# Allegro board LAY-95869_A.brd (continued)
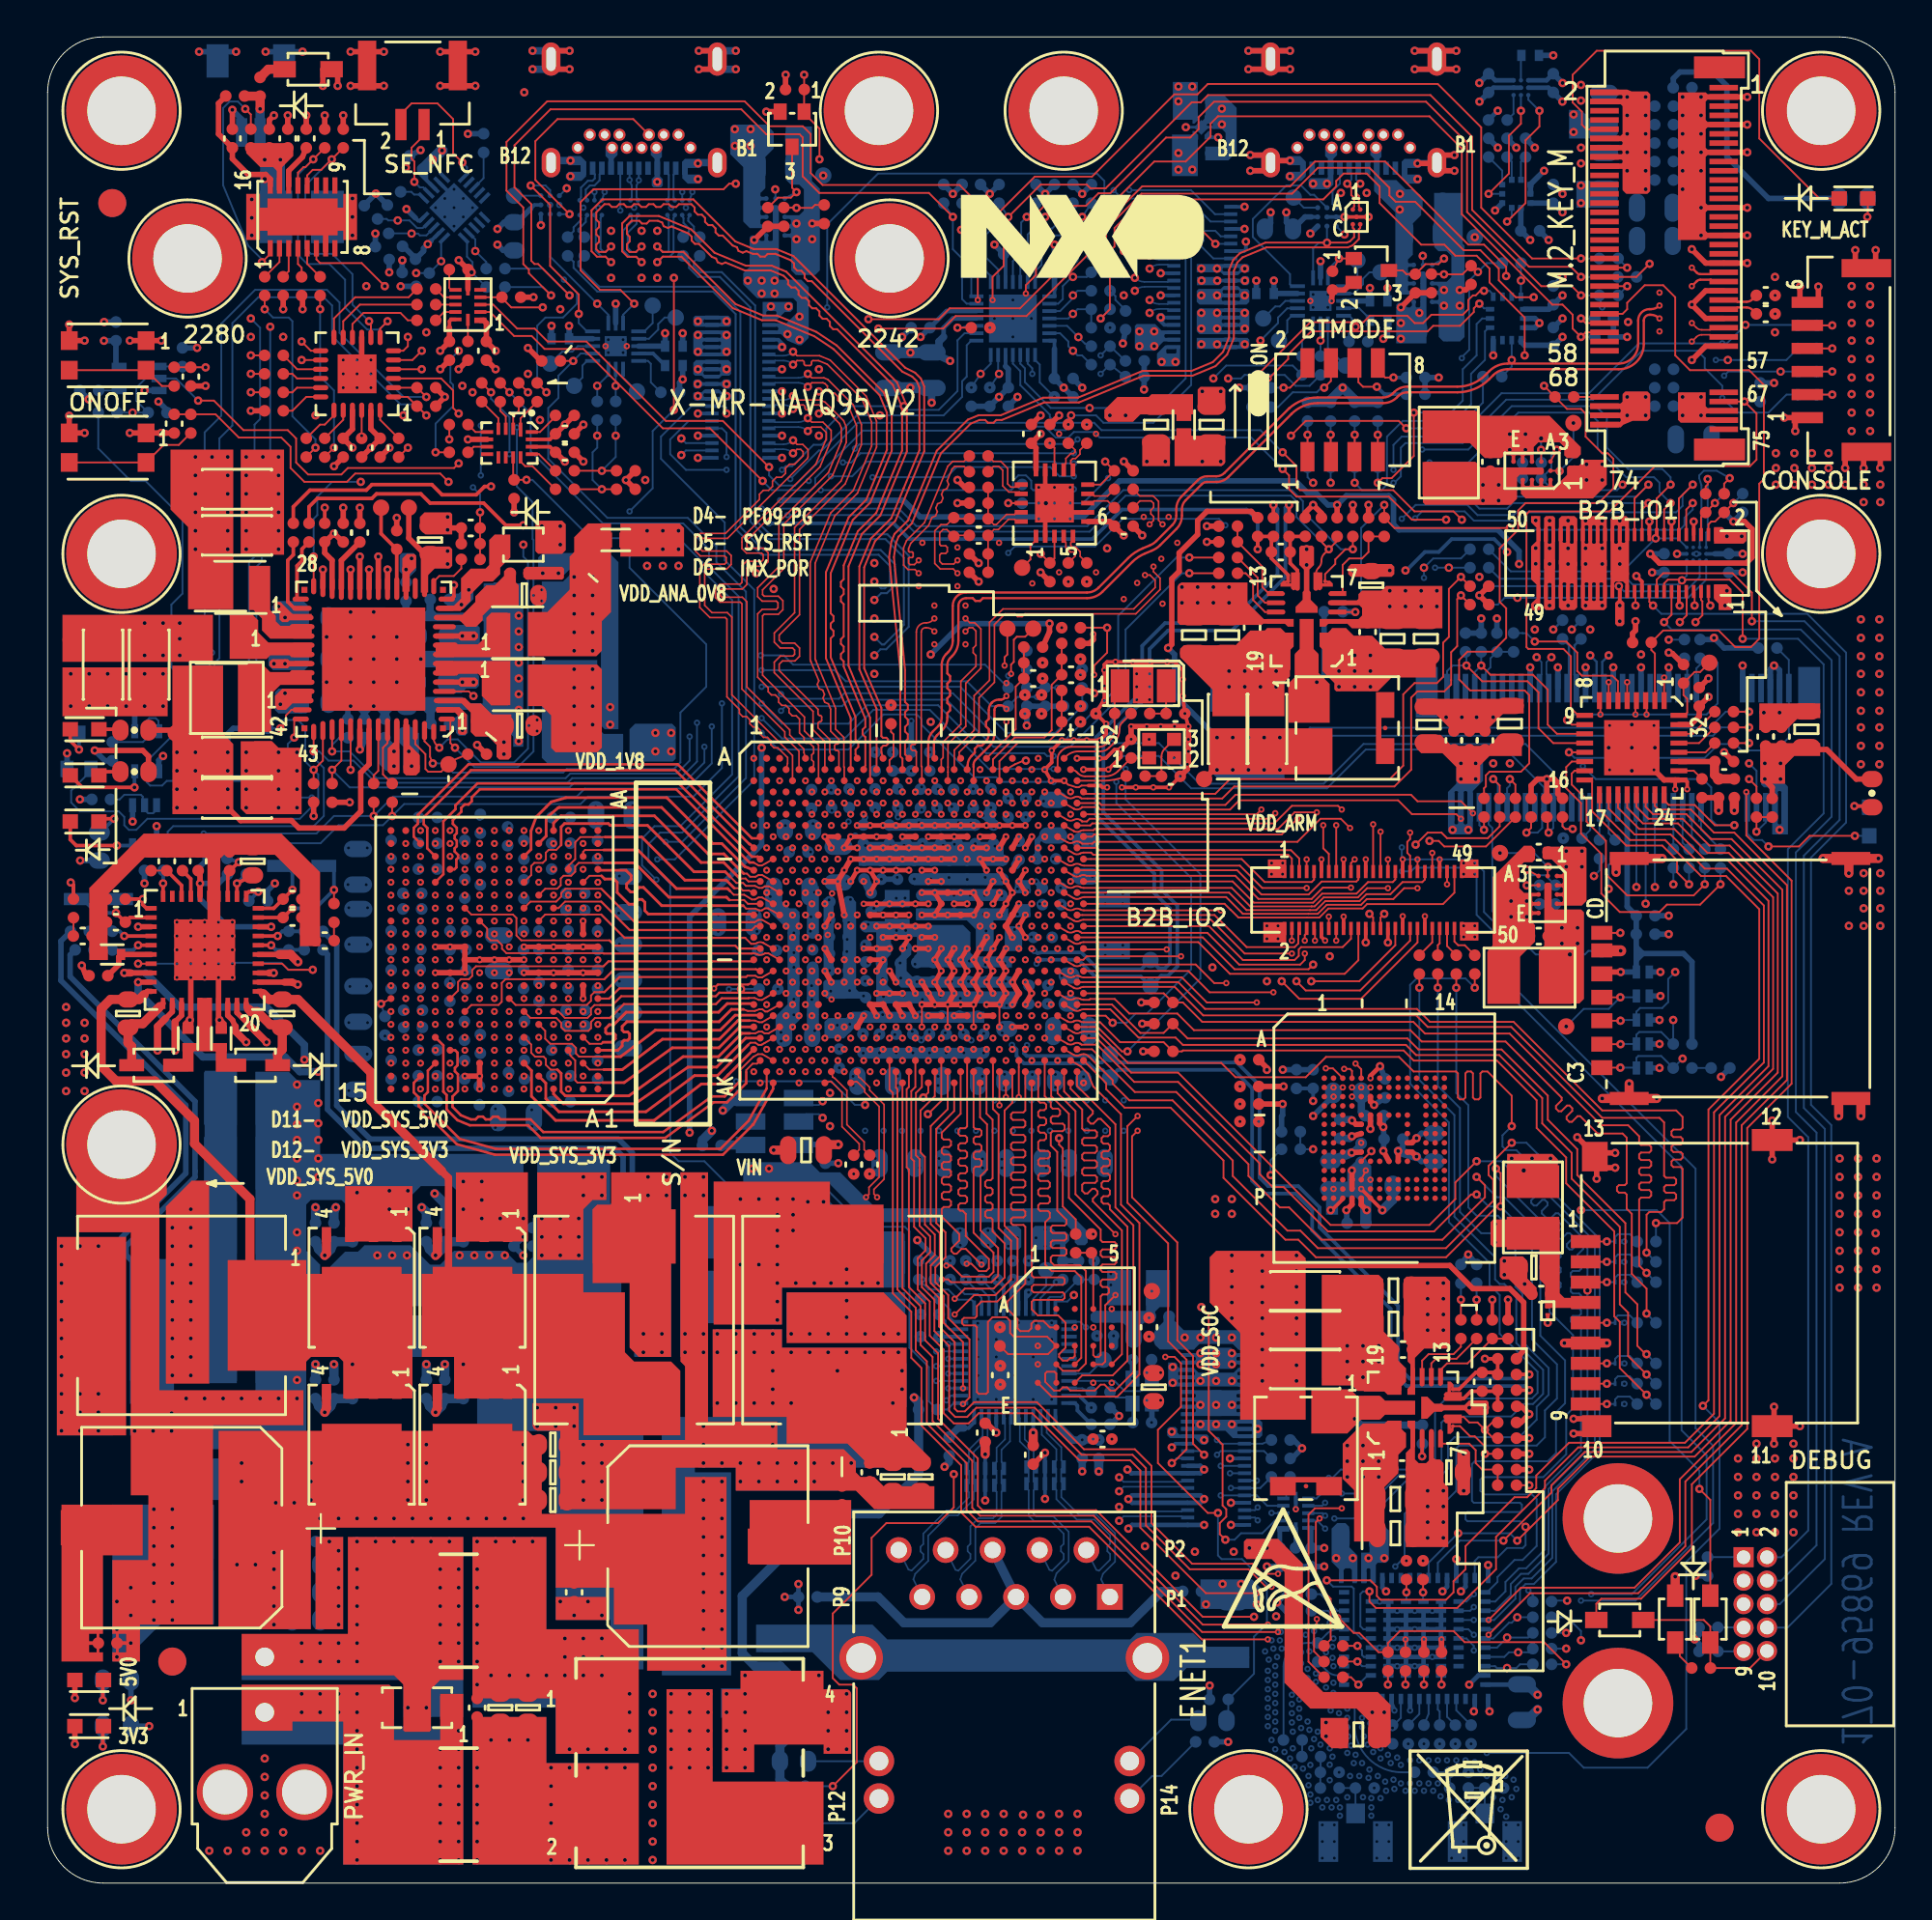
[diagram p0: board, top side]
## Routing (per net, layer and track width the routed paths; a pad name or vN(x,y) marks a point on that pad's centre or on a via; arc(x,y) is an arc through that point) (continued)
I3C2A_SDA_1V8: length 120.4
  TOP w0.102: v1(89.05,74.75) 88.7,74.4 J3.10
  L8_IN2 w0.102: v1(56,90.25) 56,87.15 57.6,85.55 58.75,85.55 59.6,86.4 70.3,86.4 72.6,84.1 73.7,84.1 74.9,82.9 74.9,81.4 75.5,80.8 75.5,75.4 v3(74.03,73.92) 72.95,72.85 71.95,72.85 71.05,71.95 71.05,70.75 70.3,70 70.3,64.6 71.15,63.75 71.15,58.69 71.23,58.6 71.23,56.85 71.2,56.81 71.2,54.25 70.45,53.5 70.45,49.1 69.35,48 69.35,37.3 69.85,36.8 69.85,36.25 69.95,36.15 69.95,23.26 67.2,20.51 67.2,19.75 66.69,19.24 65.91,19.24 v3(65.5,19.65)
  BOTTOM w0.102: R176.2 v1(56,90.25) 55,89.25 54.35,89.25 53.8,88.7 53.8,87.65 53.45,87.3 U31.28 ; J17.3 65.35,19.8 v3(65.5,19.65) ; v1(89.05,74.75) 89.05,74.4 88.6,73.95 88.6,73.55 88.35,73.3 80.1,73.3 79.6,73.8 79.48,73.8 79.47,73.8 77.2,73.8 76.7,74.3 74.4,74.3 v3(74.03,73.92)
I3C2B_SCL_1V8: length 19.4
  L8_IN2 w0.102: v3(51,90.25) 52.65,91.9 57.5,91.9 v3(57.7,91.7)
  BOTTOM w0.102: R181.2 v3(51,90.25) 50.4,89.65 50.4,87.7 51.05,87.05 U31.22 ; J14.6 62.95,90 61.7,91.25 58.15,91.25 v3(57.7,91.7)
I3C2B_SDA_1V8: length 18.5
  L8_IN2 w0.102: v3(58.55,91.7) 57.9,91.05 52.8,91.05 v3(52,90.25)
  BOTTOM w0.102: v3(58.55,91.7) 61.89,91.7 63.19,90.4 J14.4 ; R180.2 v3(52,90.25) 51.75,90 51.5,90 50.8,89.3 50.8,88.05 51.45,87.4 U31.23
I3C2C_SCL_1V8: length 31.4
  L3_IN1 w0.102: v1(34.3,78.25) 34.9,78.85 36.9,78.85 39.25,81.2 40.3,81.2 41.1,80.4 42.1,80.4 42.55,80.85 42.55,81.17 46.8,85.42 47.83,85.42 50.2,87.8 51.2,87.8 51.8,88.4 51.8,89 52.25,89.45 52.25,89.5 v1(53,90.25)
  BOTTOM w0.102: U31.25 52.25,87.85 52.7,88.3 52.7,89.95 v1(53,90.25) R179.2 ; J15.6 34.55,78 v1(34.3,78.25)
I3C2C_SDA_1V8: length 32.3
  L3_IN1 w0.102: v1(34.3,77.35) 34.65,77.7 36.4,77.7 37.85,79.15 40.25,79.15 41.1,80 42.4,80 43.7,81.3 43.7,81.85 46.75,84.9 47.95,84.9 50.4,87.35 51.5,87.35 52.9,88.75 52.9,89.15 v1(54,90.25)
  BOTTOM w0.102: v1(34.3,77.35) 34.55,77.6 J15.4 ; R178.2 v1(54,90.25) 53.05,89.3 53.05,88.2 52.65,87.8 U31.26
IMU1_INT_1V8: length 61.9
  TOP w0.102: U12.AH42 52.57,44.19 v4(52.57,42.57)
  L3_IN1 w0.102: v4(52.57,42.57) 52.59,42.55 54.3,42.55 54.95,41.9 62.42,41.9 64.07,40.25 65.9,40.25 68.94,37.21 70.82,37.21 71.21,37.6 71.8,37.6 v5(72.4,38.2)
  L4_GND2 w0.3: v5(72.4,38.2) v6(72.55,38.6)
  L7_GND3 w0.3: v7(72.7,39) v6(72.55,38.6)
  L8_IN2 w0.102: v3(74.5,70.7) 74.25,70.7 73.9,70.35 73.9,60.95 73.65,60.7 73.65,51.15 72.7,50.2 72.7,47.15 73.3,46.55 73.3,41 72.7,40.4 v7(72.7,39)
  BOTTOM w0.102: v3(74.5,70.7) v2(74.5,71.25) 75,71.75 76.5,71.75 76.99,72.24 R374.1
IMU1_INT_3V3: length 20.8
  L8_IN2 w0.102: v3(75.1,71.25) 75.1,71.79 77,73.69 77,74.25 76.55,74.7 v3(76.55,82.6)
  BOTTOM w0.102: v3(75.1,71.25) v2(75.85,71.25) R377.2 ; v3(76.55,82.6) 76.55,82.65 76.95,83.05 76.95,86.8 v2(77.42,87.27) 77.9,87.75 R189.1
IO_INT: length 1.2
  TOP w0.102: R47.1 23.06,77.8 U5.7
IO_WAKE: length 2.1
  TOP w0.102: R30.1 13.25,80.75 13.5,81 U4.17
IO_WAKE_INT: length 113.7
  TOP w0.102: v1(78.95,87.05) 78.95,87.55 77.75,88.75 76.9,88.75 72.4,93.25 68.6,93.25 67.26,91.91 59.25,91.91 52.64,85.3 48.83,85.3 48.24,84.71 v1(44.43,84.71) ; v1(85.95,69.2) 85.95,69.91 J3.23 ; R30.2 v1(11,80.75) ; R47.2 v1(21,77.5)
  L8_IN2 w0.102: v1(21,77.5) 19.55,78.95 18.5,78.95 18.1,79.35 15.4,79.35 15,78.95 12.8,78.95 v1(11,80.75) ; v1(85.95,69.2) 85.95,69.8 86.45,70.3 86.45,71.25 85.8,71.9 85.8,76.3 84.45,77.65 84.45,84.8 84.65,85 84.65,86.1 83.25,87.5 79.4,87.5 v1(78.95,87.05) ; v1(22.25,83) 22.85,83.6 26.15,83.6 28,81.75 29.75,81.75 30.75,82.75 30.75,83.8 32.7,85.75 34.6,85.75 37.35,88.5 39.55,88.5 43.34,84.71 v1(44.43,84.71)
  BOTTOM w0.102: v1(21,77.5) 21,79.05 21.95,80 21.95,81.15 21.8,81.3 21.8,82.55 v1(22.25,83)
IW612_BT15_4_WAKE_IN: length 62
  TOP w0.102: v8(78,13.45) 80.25,15.7 86.1,15.7 88.65,18.25 88.65,21.75 91.7,24.8 91.7,41.05 94.15,43.5 94.15,54.05 91.3,56.9 90.2,56.9 88.95,58.15 87.2,58.15 87,58.35 U10.23
  L4_GND2 w0.3: v8(78,13.45) v6(77.6,13.45)
  L7_GND3 w0.3: v6(77.6,13.45) v9(77.2,13.45)
  BOTTOM w0.102: v9(77.2,13.45) 76.9,13.75 U36.75
IW612_BT15_4_WAKE_OUT_1V8: length 144.8
  TOP w0.102: v1(76.55,73.85) 76.1,74.3 73.99,74.3 72.84,75.45 67.79,75.45 67.6,75.63 67.6,76.75 v1(66.85,77.5) ; v1(39.05,76.7) 36.55,79.2 33.47,79.2 29.17,83.5 27.07,83.5 26.37,84.2 25.42,84.2 24.12,85.5 U3.3
  L8_IN2 w0.102: v3(77.2,12.6) 78.05,12.6 81.15,15.7 82.6,15.7 v3(83,15.3) ; v3(73.3,56.1) 73.3,60.75 73.6,61.05 73.6,62.15 73.35,62.4 73.35,67 73.1,67.25 73.1,70.35 73.3,70.55 73.6,70.55 74.8,71.75 74.8,72.1 v1(76.55,73.85)
  BOTTOM w0.102: v1(66.85,77.5) 65.65,78.7 57.05,78.7 56.65,79.1 55.5,79.1 55.1,78.7 54.55,78.7 54.15,79.1 43.85,79.1 40.45,75.7 39.6,75.7 39.05,76.25 v1(39.05,76.7) ; v3(73.3,56.1) 73.3,55.65 73.5,55.45 77.1,55.45 77.75,54.8 77.75,52.6 79.38,50.98 79.38,48.52 89.2,38.7 89.2,24.64 90.15,23.69 90.15,19.5 85.95,15.3 v3(83,15.3) ; v3(77.2,12.6) 77.2,12.85 76.8,13.25 U36.76
IW612_BT15_4_WAKE_OUT_3V3: length 5.2
  TOP w0.102: U4.11 16,84.6 16.9,85.5 R22.2
IW612_IND_RST_15_4: length 59.8
  TOP w0.102: U10.20 85.5,58.25 86.35,57.4 88.25,57.4 89.85,55.8 91,55.8 93.4,53.4 93.4,44.11 90.8,41.51 90.8,25.17 88.98,23.35 83.2,23.35 81.4,21.55 81.4,21.15 v1(78.8,18.55)
  BOTTOM w0.102: v1(78.8,18.55) 76.45,18.55 75.25,17.35 U36.38
IW612_IND_RST_BT: length 68.1
  TOP w0.102: v1(71.55,15.8) 71.55,15.25 71.9,14.9 76.3,14.9 78.4,17 78.4,18.75 81.05,21.4 81.05,21.8 82.85,23.6 88.8,23.6 90.5,25.3 90.5,41.6 93.15,44.25 93.15,53.2 90.95,55.4 89.75,55.4 88.05,57.1 86.15,57.1 85,58.25 U10.19
  BOTTOM w0.102: v1(71.55,15.8) 71.2,15.8 71.06,15.66 71.06,13.91 71.22,13.75 U36.64
IW612_IND_RST_WL: length 72.4
  TOP w0.102: U10.18 84.5,58.2 85.9,56.8 87.85,56.8 89.7,54.95 90.9,54.95 92.9,52.95 92.9,44.45 90.2,41.75 90.2,25.42 88.63,23.85 82.35,23.85 80.58,22.08 80.58,21.39 80.09,20.9 79.4,20.9 76.75,18.25 76.75,17 76.1,16.35 76.1,15.75 75.7,15.35 72.15,15.35 71.95,15.55 71.95,16.05 71.6,16.4 v1(69.24,16.4)
  BOTTOM w0.102: U36.63 71.1,13.25 70.7,13.65 70.7,15.95 70.59,16.06 69.58,16.06 v1(69.24,16.4)
IW612_PD_B: length 78.9
  TOP w0.102: U10.17 84,58.15 85.65,56.5 87.55,56.5 89.5,54.55 90.85,54.55 92.65,52.75 92.65,44.65 89.9,41.9 89.9,26.15 v1(89.6,25.85)
  L8_IN2 w0.102: v3(77.9,7.05) 77.3,6.45 73.6,6.45 72.8,7.25 v3(72.8,8.4)
  BOTTOM w0.102: v1(89.6,25.85) 90.5,24.95 90.5,19.2 88.7,17.4 88.7,8.35 86.6,6.25 83.15,6.25 82.35,7.05 v3(77.9,7.05) ; U36.10 73.25,8.95 72.86,8.56 R357.2
IW612_RST_IND: length 60.9
  TOP w0.102: U10.21 86,58.3 86.65,57.65 88.5,57.65 89.95,56.2 91.05,56.2 93.65,53.6 93.65,43.9 91.1,41.35 91.1,25.05 89.15,23.1 83.5,23.1 81.75,21.35 81.75,20.75 v1(79.55,18.55)
  BOTTOM w0.102: U36.37 74.75,17.35 v2(76.35,18.95) 79.15,18.95 v1(79.55,18.55)
IW612_SD_INT: length 59.1
  L3_IN1 w0.102: v1(82.25,15.3) 80.75,16.8 77.5,16.8 77.25,17.05 73.3,17.05 73,17.35 73,18.05 71.2,19.85 70,19.85 69.6,20.25 69.6,24.4 67.45,26.55 60.8,26.55 60.6,26.75 59,26.75 58.75,26.5 57.17,26.5 57.04,26.37 54.33,26.37 53,27.7 53,29.6 53.55,30.15 53.55,36.65 48.25,41.95 48.25,43.35 47.68,43.92 47.68,45.77 v4(47.67,45.77)
  BOTTOM w0.102: R339.1 81.46,15.3 v1(82.25,15.3)
IW612_SPI_INT: length 58
  TOP w0.102: U12.AJ25 46.62,43.12 46.5,43 46.5,38.77 46.62,38.65 46.62,32.28 47.5,31.4 47.5,29.4 48.2,28.7 48.2,25.15 50.35,23 50.35,20.45 50.6,20.2 56.75,20.2 62.52,14.43 v1(65.3,14.43)
  L8_IN2 w0.102: v1(65.3,14.43) 65.78,14.43 71.4,8.8 73.05,8.8 73.25,8.6 73.25,7.3 73.8,6.75 75.8,6.75 76.2,7.15 v3(76.2,7.54)
IW612_WL_WAKE_IN: length 61.3
  TOP w0.102: v8(78,14.25) 79.75,16 85.9,16 88.35,18.45 88.35,21.87 91.4,24.92 91.4,41.2 93.9,43.7 93.9,53.8 91.15,56.55 90.05,56.55 88.7,57.9 86.9,57.9 86.5,58.3 U10.22
  L4_GND2 w0.3: v8(78,14.25) v6(77.6,14.25)
  L7_GND3 w0.3: v9(77.2,14.25) v6(77.6,14.25)
  BOTTOM w0.102: U36.74 v9(77.2,14.25)
IW612_WL_WAKE_OUT_1V8: length 142.6
  TOP w0.102: U3.2 23.95,85.1 25.25,83.8 26.2,83.8 26.9,83.1 29,83.1 33.3,78.8 35.85,78.8 v1(38.7,75.95) ; v1(66.85,76.6) 67.2,76.25 67.2,75.5 67.6,75.1 72.6,75.1 73.85,73.85 v1(75.7,73.85)
  L8_IN2 w0.102: v3(77.2,14.95) 79.85,14.95 80.9,16 83.2,16 v3(83.55,15.65) ; v1(75.7,73.85) 73.45,71.6 72.55,71.6 72.25,71.3 72.25,67.4 72.9,66.75 72.9,62.1 73.3,61.7 73.3,61.2 72.95,60.85 72.95,55.15 v3(73.3,54.8)
  BOTTOM w0.102: v3(83.55,15.65) 85.75,15.65 89.8,19.7 89.8,23.17 88.45,24.52 88.45,38.8 79.07,48.18 79.07,50.72 77.35,52.45 77.35,54.6 76.95,55 74,55 73.8,54.8 v3(73.3,54.8) ; v1(66.85,76.6) 65.15,78.3 56.95,78.3 56.65,78.6 55.55,78.6 55.25,78.3 54.57,78.3 53.98,78.89 53.42,78.89 53.2,78.67 44.12,78.67 41.55,76.1 41.55,75.7 41.3,75.45 39.2,75.45 v1(38.7,75.95) ; v3(77.2,14.95) 77,14.75 U36.73
IW612_WL_WAKE_OUT_3V3: length 4.6
  TOP w0.102: R23.2 19.5,84.65 19.1,85.05 17.1,85.05 16.5,84.45 U4.10
LED0_PHYAD0: length 3.4
  BOTTOM w0.102: R317.1 R318.2 54.86,31.75 54.25,31.75 54.15,31.65 U35.35
LED1_CFGLDO0: length 39.6
  TOP w0.102: v4(60.5,28.5) 61,28.5 61.35,28.15 61.35,25.8 60.1,24.55 60.1,22.75 62.8,20.05 v1(63.35,20.05)
  L3_IN1 w0.102: v1(55.55,31.85) 55.55,30.8 55.25,30.5 55.25,29.2 54.9,28.85 54.4,28.85 54.1,28.55 54.1,27.55 54.88,26.77 56.87,26.77 56.95,26.85 56.95,27.3 57.9,28.25 60.25,28.25 v4(60.5,28.5)
  BOTTOM w0.102: v1(55.55,31.85) 55.2,31.5 54.55,31.5 U35.36 ; v1(63.35,20.05) 63.35,17.75 63.55,17.55 64.65,17.55 66,16.2 66,14.05 65.3,13.35 65.3,11.34 R348.1 63.91,9.02 63.81,8.93 R349.1
LED2_CFGLDO1: length 44.3
  TOP w0.102: v1(42.5,5.25) 43.8,6.55 43.8,10.55 43.6,10.75 42.85,10.75 42.5,11.1 42.5,14.6 44.6,16.7 44.6,18.7 45.4,19.5 48.2,19.5 49.05,20.35 v1(49.05,22.15)
  L8_IN2 w0.102: v1(49.05,22.15) 55.1,22.15 56.25,23.3 57,23.3 57.5,23.8 57.5,28 58.5,29 58.5,29.85 58.25,30.1 v3(56.2,30.1)
  BOTTOM w0.102: U35.37 55.9,30.4 v3(56.2,30.1) ; v1(42.5,5.25) R367.2 41.01,4.27 R370.1
LM5143_3V3_PG: length 63.4
  TOP w0.102: v1(20.5,80.5) 20,81 R29.2 U4.2 ; U13.24 12.7,49.8 13.03,49.47 v1(14.35,49.47)
  L8_IN2 w0.102: v3(8.25,49.1) 8.65,49.5 8.65,52.15 9.3,52.8 9.3,66.25 v3(8.9,66.65)
  BOTTOM w0.102: v1(20.5,80.5) 20.5,80.5 19.27,80.5 15.8,83.97 15.8,85.62 15.12,86.3 11.23,86.3 9.4,84.47 9.4,79.48 8.5,78.58 8.5,67.05 v3(8.9,66.65) ; v3(8.25,49.1) 9,49.85 12.65,49.85 13.03,49.47 v1(14.35,49.47)
LM5143_5V0_PG: length 56.4
  TOP w0.102: U4.1 19.49,80.5 R35.2 20,80 v1(20.5,79.5) ; U13.7 v1(4.9,49.8)
  L8_IN2 w0.102: v3(8.9,65.95) 8.9,52.97 8.25,52.32 v3(8.25,49.8)
  BOTTOM w0.102: v1(20.5,79.5) 19.9,80.1 19.1,80.1 15.4,83.8 15.4,85.45 14.95,85.9 11.4,85.9 10,84.5 10,78.95 9.3,78.25 9.3,66.35 v3(8.9,65.95) ; v1(4.9,49.8) v3(8.25,49.8)
M2_KEYB_CLKREQ_B: length 45.8
  TOP w0.102: R117.2 81.2,57.69 81.2,56.95 v1(81.25,56.9) ; v1(53.75,72) R79.2 54.5,71.76 U7.3
  L8_IN2 w0.102: v1(53.75,72) 53.75,72 54.35,71.4 54.35,70.25 53.75,69.65 53.75,64.7 56.7,61.75 v3(57.6,61.75)
  BOTTOM w0.102: v1(81.25,56.9) 81.5,57.15 J16.52 81.55,58.33 81.55,60.15 80,61.7 71.23,61.7 69.08,59.55 62.35,59.55 60.15,61.75 v3(57.6,61.75)
M2_KEYB_COEX_RXD: length 46.4
  TOP w0.102: R114.2 78.6,57.24 77.96,56.6 75.75,56.6 75.45,56.9 74.7,56.9 v1(74.05,56.25)
  L3_IN1 w0.102: v5(71.9,26.4) 71.9,23.65 72.55,23 72.55,19.05 73.55,18.05 v4(73.55,17.46)
  L4_GND2 w0.3: v5(71.9,26.4) v6(71.9,26.8)
  L7_GND3 w0.3: v6(71.9,26.8) v7(71.9,27.2)
  L8_IN2 w0.102: v1(74.05,56.25) 74.05,50.9 73.2,50.05 73.2,47.3 73.65,46.85 73.65,35.8 72.7,34.85 72.7,28 v7(71.9,27.2)
M2_KEYB_COEX_TXD: length 47.1
  TOP w0.102: v1(74.8,56.45) 75.3,56.45 75.6,56.15 77.86,56.15 R115.2
  L3_IN1 w0.102: v5(72.25,25.65) 72.25,23.9 72.95,23.2 72.95,19.2 73.9,18.25 73.9,18 74.44,17.46 v4(74.45,17.46)
  L4_GND2 w0.3: v6(72.55,25.95) v5(72.25,25.65)
  L7_GND3 w0.3: v7(72.55,26.35) v6(72.55,25.95)
  L8_IN2 w0.102: v1(74.8,56.45) 74.8,55.8 74.7,55.7 74.7,50.9 73.7,49.9 73.7,47.65 74.6,46.75 74.6,36.25 73,34.65 73,27.55 72.55,27.1 v7(72.55,26.35)
M2_KEYB_CONFIG0: length 14.5
  TOP w0.102: v1(82.25,63) 82.5,62.75 U10.10
  BOTTOM w0.102: v1(82.25,63) 82.55,63.3 89.8,63.3 90.4,63.9 90.4,66.1 90.16,66.34 R244.2 89.45,66 89.25,65.8 J16.21
M2_KEYB_CONFIG1: length 10.4
  TOP w0.102: v1(77.6,65.95) 78.1,65.45 80.4,65.45 81.2,64.65 81.2,62.75 81.7,62.25 U10.11
  BOTTOM w0.102: R242.2 v1(77.6,65.95) 77.25,65.6 J16.69
M2_KEYB_CONFIG2: length 12.1
  TOP w0.102: v1(76.8,65.95) 77.65,65.1 80.1,65.1 80.7,64.5 80.7,62.55 81.5,61.75 U10.12
  BOTTOM w0.102: J16.75 75.75,65.65 76.05,65.95 v1(76.8,65.95) 76.8,66.64 R243.2
M2_KEYB_CONFIG3: length 18.7
  TOP w0.102: U10.13 v1(82.35,61.25)
  BOTTOM w0.102: R239.2 94.25,66.26 J16.1 94.25,62.05 93.55,61.35 91.7,61.35 91.35,61.7 90.45,61.7 89.7,60.95 82.65,60.95 v1(82.35,61.25)
M2_KEYB_FCPO_B: length 11
  TOP w0.102: U10.5 v4(85.5,65.05) ; v1(92.1,59.8) 92.5,59.4 R119.1
  L3_IN1 w0.102: v1(92.1,59.8) 91.5,59.8 86.85,64.45 86.1,64.45 v4(85.5,65.05)
M2_KEYB_GPIO5: length 17.1
  TOP w0.102: U10.14 82.5,60.75 82.2,60.45 82.2,59.3 83,58.5 83,56.85 84.1,55.75 84.1,53.6 85.1,52.6 87.25,52.6 87.65,53 89.45,53 v1(90.55,54.1)
  BOTTOM w0.102: R270.2 v1(90.55,54.1)
M2_KEYB_GPIO6: length 13.9
  TOP w0.102: v1(89.7,54.1) 89.1,53.5 85.5,53.5 84.35,54.65 84.35,56.45 83.3,57.5 83.3,58.7 82.5,59.5 82.5,60.1 82.65,60.25 U10.15
  BOTTOM w0.102: R271.2 v1(89.7,54.1)
M2_KEYB_GPIO7: length 10.2
  TOP w0.102: v1(88.85,54.1) 88.2,54.75 88.2,55.4 87.4,56.2 85.45,56.2 83.6,58.05 83.6,59.65 83.5,59.75 U10.16
  BOTTOM w0.102: R272.2 v1(88.85,54.1)
M2_KEYB_PERST_B: length 12.9
  TOP w0.102: U10.4 85.95,64 v4(85.95,63.3) ; R118.2 82,57.25 82.15,57.1 v1(82.55,57.1)
  L3_IN1 w0.102: v1(82.55,57.1) 83.7,58.25 83.7,63.5 83.9,63.7 85.55,63.7 v4(85.95,63.3)
  BOTTOM w0.102: J16.50 82,57.25 82.15,57.1 v1(82.55,57.1)
M2_KEYB_PEWAKE_B: length 100.4
  TOP w0.102: U4.14 v1(13.75,82.5) ; R116.2 80.3,57.15 v1(80.05,56.9)
  L3_IN1 w0.102: v9(38.65,63.9) 39.85,65.1 39.85,73.2 40.45,73.8 40.45,74.35 40.3,74.5 39.8,74.5 39.35,74.05 32.55,74.05 31.9,74.7 29.6,74.7 26.95,77.35 22,77.35 19.95,79.4 19.95,80.7 20.35,81.1 v1(22.45,81.1)
  L4_GND2 w0.3: v9(38.65,63.9) v6(39.05,63.9)
  L7_GND3 w0.3: v9(38.65,63.9) v6(39.05,63.9)
  L8_IN2 w0.102: v1(13.75,82.5) 14.9,81.35 17.8,81.35 18.35,80.8 20,80.8 20.15,80.95 21.25,80.95 21.4,81.1 v1(22.45,81.1) ; v3(58.05,61.05) v3(54.45,61.05)
  BOTTOM w0.102: v1(80.05,56.9) 80.65,56.9 80.9,57.15 80.9,58.17 J16.54 81,59.35 78.95,61.4 71.35,61.4 69.25,59.3 61.9,59.3 60.15,61.05 v3(58.05,61.05) ; v3(54.45,61.05) 54.1,61.05 53.95,61.2 50.8,61.2 48.2,63.8 44.35,63.8 43.35,62.8 39.75,62.8 v9(38.65,63.9)
M2_KEYB_PWREN_B: length 17.2
  TOP w0.102: U10.3 86.55,64 v4(86.55,63.3) ; U11.A3 v1(80.06,54.89)
  L3_IN1 w0.102: v1(80.06,54.89) 82,56.83 82,57.2 83.25,58.45 83.25,63.6 83.65,64 85.85,64 v4(86.55,63.3)
  BOTTOM w0.102: v1(80.06,54.89) 80.36,54.59 81.06,54.59 81.61,54.05 R277.2
M2_KEYB_REFCLK_N: length 31
  L3_IN1 w0.091: v1(81.4,66.4) 81.2,66.2 arc(81.16,66.14) 81.15,66.07 81.15,65.89 arc(81.1,65.67) 80.97,65.47 80.85,65.35 arc(80.63,65.2) 80.37,65.15 80.09,65.15 arc(79.82,65.2) 79.59,65.35 78.72,66.23 78.44,66.51 arc(77.99,66.81) 77.45,66.92 62.01,66.92 arc(61.6,67) 61.26,67.23 60.08,68.41 59.95,68.54 arc(59.82,68.62) 59.67,68.65 56.88,68.65 arc(56.66,68.69) 56.48,68.82 55.74,69.55 arc(55.64,69.71) 55.6,69.89 55.6,70.06 arc(55.59,70.14) 55.54,70.2 v4(55.25,70.49)
  BOTTOM w0.089: J16.53 81.25,65.38 81.13,65.5 81.13,66.13 v1(81.4,66.4)
M2_KEYB_REFCLK_P: length 30.9
  L3_IN1 w0.091: v4(56.25,70.49) 55.95,70.19 arc(55.91,70.13) 55.89,70.06 55.89,69.89 arc(55.91,69.82) 55.95,69.76 56.15,69.56 56.36,69.56 56.53,69.39 56.53,69.18 56.68,69.03 arc(56.77,68.97) 56.88,68.94 57.08,68.94 57.23,69.09 57.48,69.09 57.62,68.94 57.88,68.94 58.02,69.09 58.27,69.09 58.42,68.94 58.67,68.94 58.83,69.09 59.08,69.09 59.23,68.94 59.67,68.94 arc(59.93,68.89) 60.16,68.74 60.29,68.61 60.5,68.61 60.67,68.44 60.67,68.23 60.91,67.99 61.12,67.99 61.29,67.82 61.29,67.61 61.47,67.43 arc(61.71,67.27) 62.01,67.21 77.45,67.21 arc(78.1,67.08) 78.65,66.71 78.93,66.44 79.14,66.44 79.32,66.26 79.32,66.05 79.56,65.81 79.8,65.56 arc(79.93,65.48) 80.09,65.44 80.37,65.44 arc(80.52,65.47) 80.64,65.56 80.76,65.68 arc(80.83,65.78) 80.85,65.89 80.85,66.07 arc(80.84,66.14) 80.8,66.2 v1(80.6,66.4)
  BOTTOM w0.089: J16.55 80.75,65.36 80.86,65.47 80.86,66.14 v1(80.6,66.4)
M2_KEYB_REFCLK_R_N: length 2
  TOP w0.089: R80.1 55.62,71.88 55.62,72.01 55.53,72.1 55.36,72.1 55.12,72.34 55.12,72.61 55,72.73 U7.4
M2_KEYB_REFCLK_R_P: length 2
  TOP w0.089: R81.1 55.89,71.87 55.89,72.12 55.64,72.37 55.47,72.37 55.38,72.45 55.38,72.6 55.5,72.72 U7.5
M2_KEYB_RESET_B: length 8.4
  TOP w0.102: v1(80.5,67.25) 82.2,67.25 82.8,66.65 82.8,65.65 83.05,65.4 84.7,65.4 85,65.1 U10.6
  BOTTOM w0.102: v1(80.5,67.25) 80.05,67.7 79.85,67.7 79.84,67.71 R240.1
M2_KEYB_WDISABLE1_B: length 13.3
  TOP w0.102: v4(84.5,65.05) U10.7
  L3_IN1 w0.102: v1(92.1,60.65) 87.9,64.85 86.2,64.85 85.6,65.45 85.2,65.45 84.8,65.05 v4(84.5,65.05)
  BOTTOM w0.102: J16.8 92.5,60.25 v1(92.1,60.65)
M2_KEYB_WDISABLE2_B: length 12.5
  TOP w0.102: U10.8 84.05,64 v4(84.05,63.3)
  L3_IN1 w0.102: v4(84.05,63.3) 84.05,60.15 88,56.2 v1(88,54.1)
  BOTTOM w0.102: R273.2 v1(88,54.1)
M2_KEYB_WOWWAN_3V3_B: length 6.2
  TOP w0.102: R20.2 19.54,85.9 16.65,85.9 15.5,84.75 U4.12
M2_KEYB_WOWWAN_B: length 100
  TOP w0.102: v1(44.97,84.2) 48.47,84.2 49.15,84.88 52.98,84.88 57.3,89.2 57.3,89.6 59.21,91.51 67.36,91.51 68.76,92.91 71.55,92.91 72.63,91.83 72.63,91.41 72.97,91.07 74.03,91.07 76.65,88.45 77.55,88.45 78.55,87.45 78.55,86.82 79.47,85.9 v1(80.44,85.9) ; v1(26.8,85.35) 25.1,85.35 24.59,85.86 R21.2 U3.4
  L3_IN1 w0.102: v1(80.44,85.9) 80.91,85.43 83.18,85.43 84.05,84.56 v1(85.55,84.56)
  L8_IN2 w0.102: v1(26.8,85.35) 26.8,83.5 28.25,82.05 28.95,82.05 29.75,82.85 29.75,84.85 30.2,85.3 30.2,85.75 30.55,86.1 34.35,86.1 37.75,89.5 39.05,89.5 43.2,85.35 44.55,85.35 44.97,84.93 v1(44.97,84.2) ; v1(85.55,84.56) 87.8,82.31 87.8,76.65 87.35,76.2 87.35,73.55 88.7,72.2 88.7,71.1 87.95,70.35 87.95,68.05 87.75,67.85 v1(87.75,67.35)
  BOTTOM w0.102: R245.2 88.59,67.35 v1(87.75,67.35)
M2_KEYM_CLKREQ_B: length 36.2
  TOP w0.102: U7.13 54.5,77.74 v4(54.25,77.99) ; J1.52 83.25,84.5 v1(83,84.75)
  L3_IN1 w0.102: v4(54.25,77.99) 54.25,79.65 54.7,80.1 57.55,80.1 58.95,81.5 61.15,81.5 62.6,82.95 77.15,82.95 77.55,83.35 80.8,83.35 81.7,84.25 82.5,84.25 v1(83,84.75)
  BOTTOM w0.102: R198.2 v1(83,84.75)
M2_KEYM_PEDET: length 32.6
  TOP w0.102: J1.69 v1(91.85,80.25) 92.5,79.6 92.5,77.1 92.15,76.75 87,76.75 84.55,74.3 80.2,74.3 80.05,74.15 80.05,66.95 80.15,66.85 82.05,66.85 82.45,66.45 82.45,63.65 82.85,63.25 U10.9
  BOTTOM w0.102: v1(91.85,80.25) 92.69,80.25 R215.2
M2_KEYM_PERST_B: length 37.3
  TOP w0.102: U10.2 87,66.6 86.81,66.79 R87.2 86.81,67.21 87.45,67.85 90.45,67.85 91.35,66.95 92.2,66.95 92.65,67.4 92.65,75.8 92.9,76.05 92.9,81.15 92.1,81.95 88.9,81.95 88.1,82.75 88.1,85.9 87.45,86.55 86.45,86.55 85.5,85.6 85.5,85.25 85.25,85 J1.50
M2_KEYM_PEWAKE_B: length 97.1
  TOP w0.102: v1(56.9,90.25) 59.9,93.25 61.6,93.25 62.95,94.6 62.95,95.3 63.35,95.7 74.8,95.7 76.55,93.95 76.55,90.4 81.45,85.5 82,85.5 82.55,84.95 82.55,84.2 v1(83,83.75) 83.25,84 J1.54 ; U4.13 14.25,83 v1(13.75,83.5)
  L8_IN2 w0.102: v3(42.2,85.35) 39.55,88 37.6,88 35,85.4 33.25,85.4 31.65,83.8 31.65,82.75 30.35,81.45 27.8,81.45 26.72,82.53 21.24,82.53 20.87,82.16 20.87,81.97 20.5,81.6 18.7,81.6 18.2,82.1 15.15,82.1 v1(13.75,83.5)
  BOTTOM w0.102: v1(56.9,90.25) 57.2,90.55 57.2,92.2 56.8,92.6 44.95,92.6 42.2,89.85 v3(42.2,85.35) ; R201.2 v1(83,83.75)
M2_KEYM_PWREN_B: length 20
  TOP w0.102: U10.1 v4(87.5,65.3) ; U6.A3 v1(81.69,77.64)
  L3_IN1 w0.102: v1(86.25,66.55) v4(87.5,65.3)
  L8_IN2 w0.102: v1(85.25,75.75) 85.5,75.5 85.5,68.1 86.25,67.35 v1(86.25,66.55)
  BOTTOM w0.102: v1(85.25,75.75) 84.95,75.45 81.49,75.45 R237.2 80.85,76.09 81.39,76.64 81.39,77.34 v1(81.69,77.64)
M2_KEYM_REFCLK_N: length 39.4
  TOP w0.089: v4(89,84.5) 89.25,84.25 arc(89.38,84.16) 89.54,84.13 89.98,84.13 90.1,84.25 J1.53
  L3_IN1 w0.091: v4(56.25,79.01) 56.03,79.01 arc(55.94,78.97) 55.9,78.87 55.9,78.65 56.05,78.5 56.05,78.25 55.9,78.1 55.9,77.91 arc(55.96,77.75) 56.12,77.69 56.31,77.69 56.46,77.84 56.71,77.84 56.86,77.69 57.11,77.69 57.26,77.84 57.51,77.84 57.66,77.69 57.9,77.69 arc(58.17,77.74) 58.4,77.9 62.32,81.82 arc(62.85,82.17) 63.47,82.29 80.63,82.29 arc(80.88,82.35) 81.1,82.49 81.34,82.73 arc(81.64,82.93) 82,83 86.16,83 arc(86.78,83.12) 87.31,83.48 87.73,83.9 arc(88.01,84.08) 88.33,84.15 88.53,84.15 arc(88.64,84.17) 88.73,84.23 v4(89,84.5)
M2_KEYM_REFCLK_P: length 39.5
  TOP w0.089: J1.55 90.1,83.75 89.98,83.87 89.54,83.87 arc(89.38,83.84) 89.25,83.75 v4(89,83.5)
  L3_IN1 w0.091: v4(55.25,79.01) 55.46,79.01 arc(55.56,78.97) 55.61,78.87 55.61,77.91 arc(55.76,77.55) 56.12,77.4 57.9,77.4 arc(58.28,77.47) 58.6,77.69 62.52,81.61 arc(62.96,81.9) 63.47,82 80.63,82 arc(81,82.07) 81.31,82.28 81.55,82.52 arc(81.75,82.66) 82,82.71 86.16,82.71 arc(86.89,82.85) 87.52,83.27 87.94,83.69 arc(88.12,83.81) 88.33,83.85 88.53,83.85 arc(88.64,83.83) 88.73,83.77 v4(89,83.5)
M2_KEYM_REFCLK_R_N: length 1.9
  TOP w0.089: R42.1 55.88,77.62 55.88,77.4 55.64,77.16 55.49,77.16 55.38,77.06 55.38,76.89 55.5,76.77 U7.11
M2_KEYM_REFCLK_R_P: length 1.9
  TOP w0.089: R41.1 55.61,77.63 55.61,77.51 55.53,77.43 55.38,77.43 55.12,77.17 55.12,76.91 55,76.79 U7.12
M2_SMBUS_ALERT_B: length 89.8
  TOP w0.102: v7(52.95,86.1) 52.95,86.55 53.5,87.1 53.5,90.4 53.95,90.85 56.2,90.85 56.88,91.53 57.52,91.53 60.54,94.55 61.85,94.55 62.3,95 62.3,95.65 63.14,96.49 74.61,96.49 76.83,94.27 76.83,90.52 80.85,86.5 82.5,86.5 v1(83,86)
  L4_GND2 w0.3: v6(52.95,85.7) v7(52.95,86.1)
  L7_GND3 w0.3: v6(52.95,85.7) v7(52.95,86.1)
  L8_IN2 w0.102: v3(54.49,80.5) 54.05,80.94 54.05,85.05 53,86.1 v7(52.95,86.1) ; v1(84.5,53.85) 84.5,57.5 84.05,57.95 84.05,61.7 85.8,63.45 85.8,67 84.65,68.15 84.65,77.05 84.15,77.55 v3(84.15,85.35)